# KiCad board KES.kicad_pcb
title: KES K5170.20; date: 2024-12-11; rev: 1; company: Original von VEB Robotron-Elektronik Dresden, Stand 11/1987; note: Engescannt von Holm Tiffe, https://www.tiffe.de/robotron/MMS16/Schaltplaene/KES/; note: Übertragen nach KiCad von Stefan Berndt, 12/2024
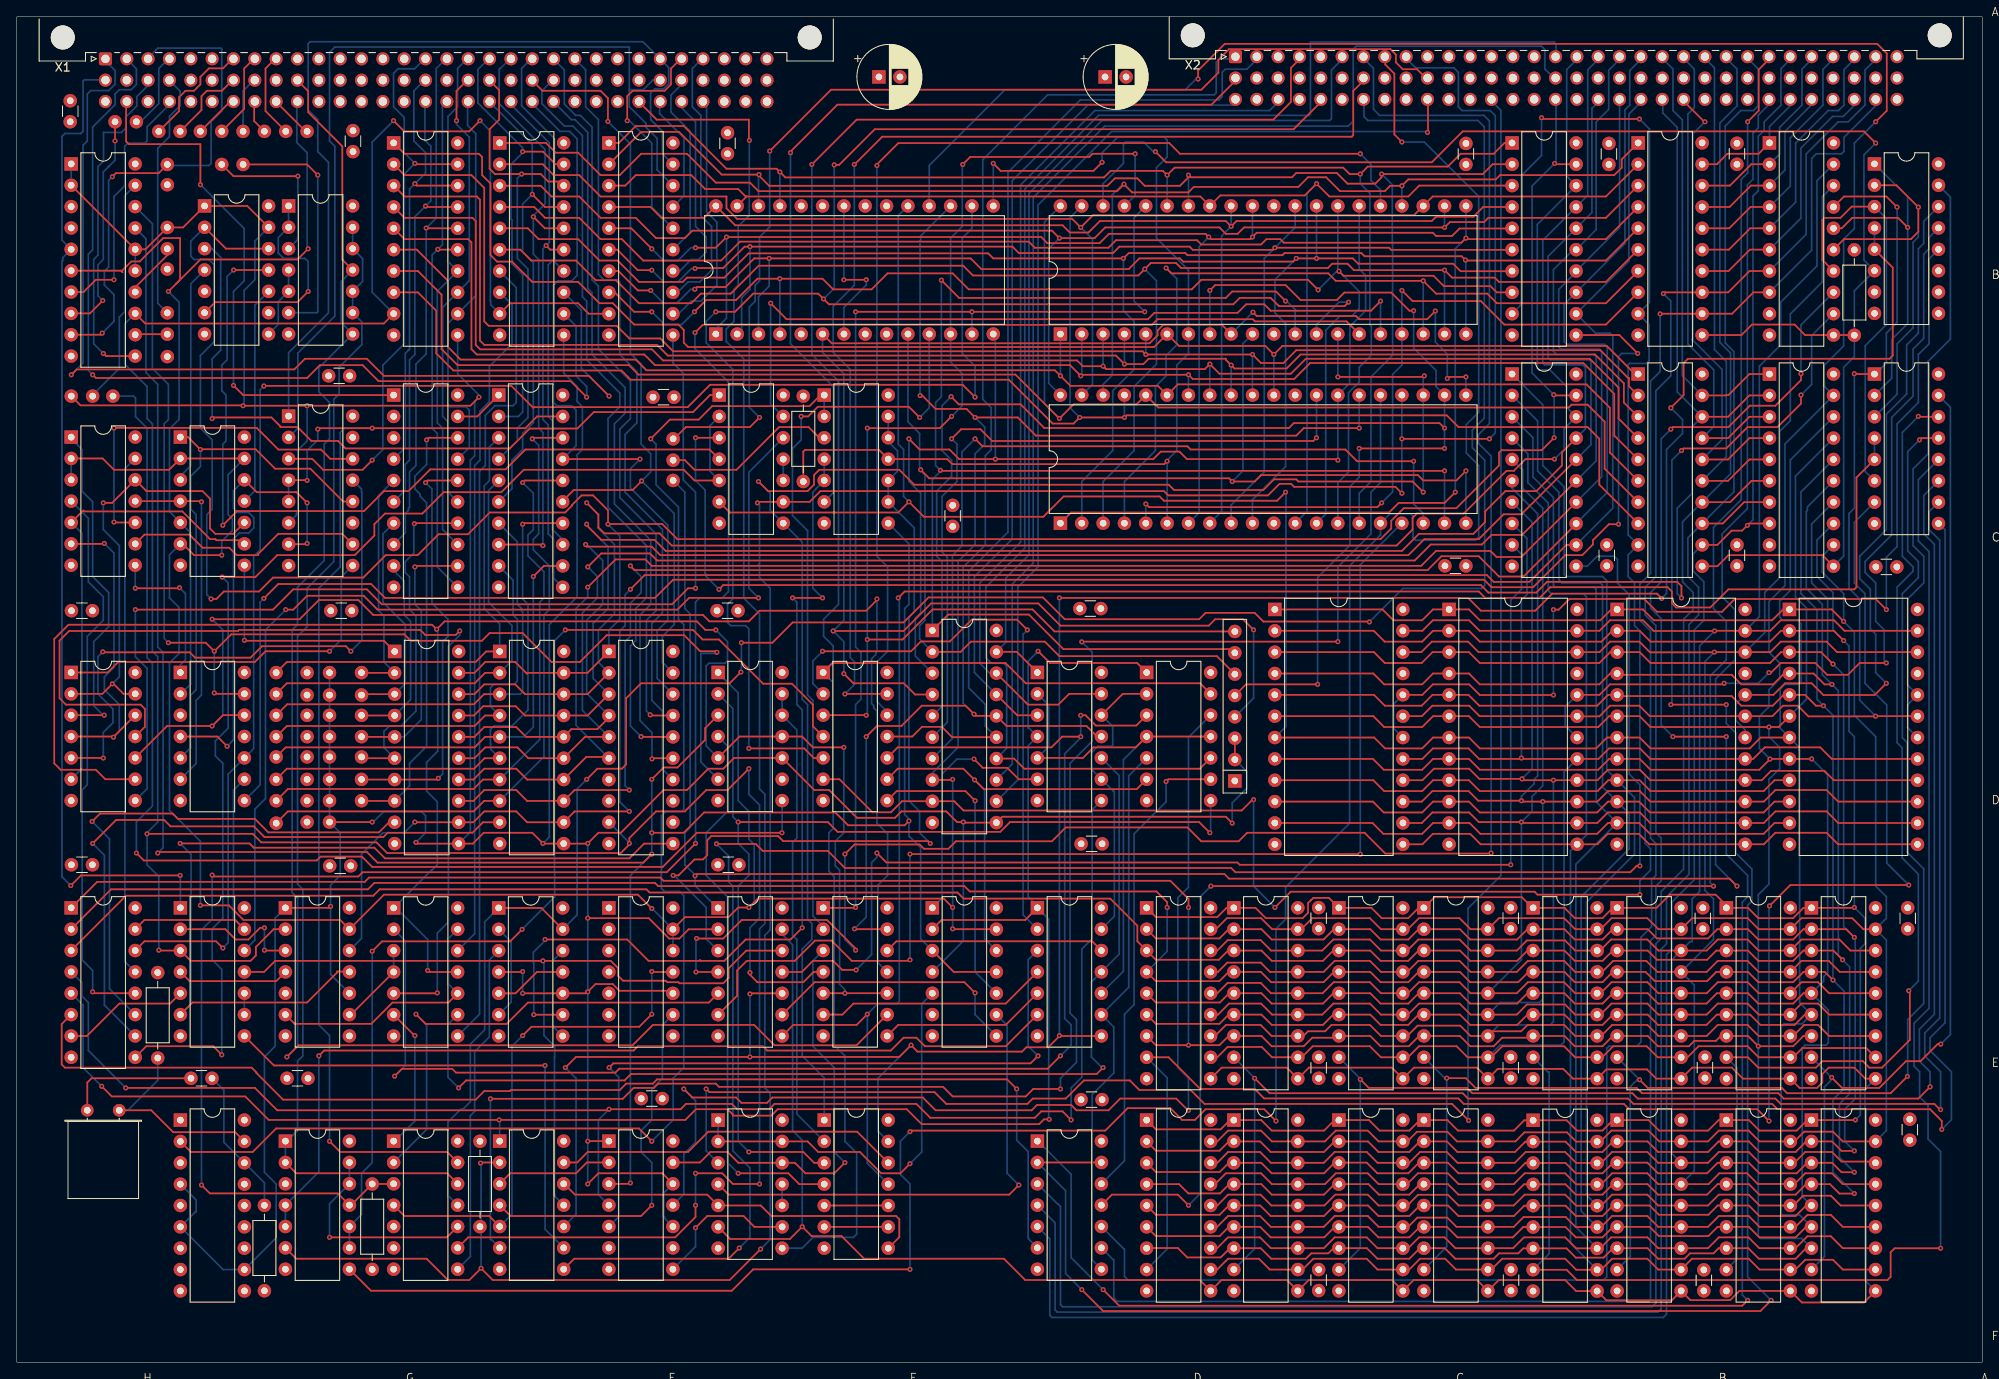
[diagram p0: board, top side]
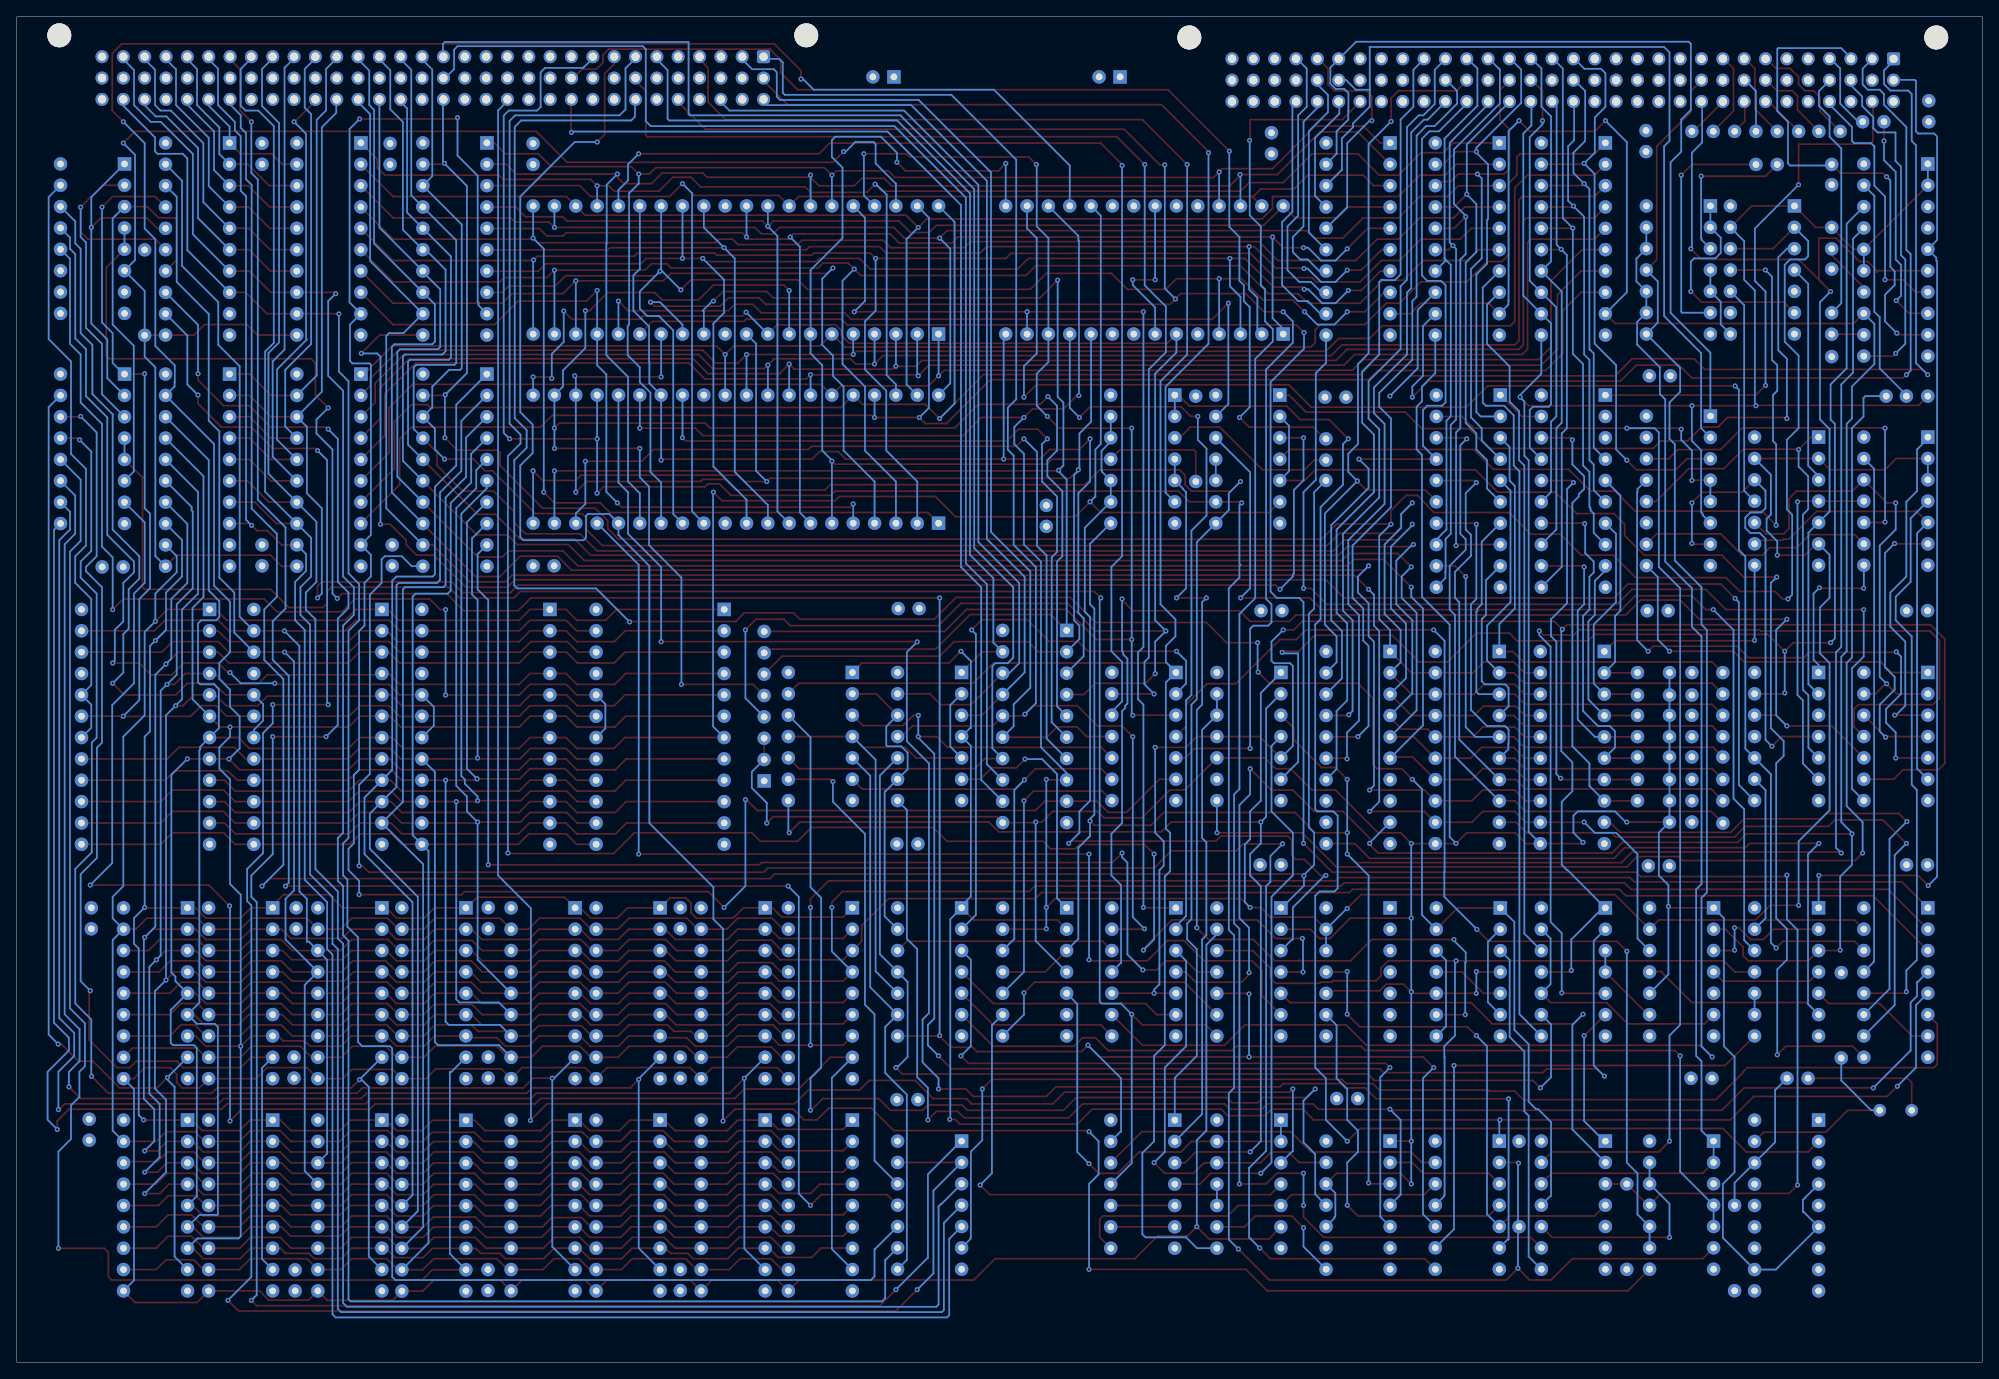
[diagram p1: board, bottom side, seen from below]

Outline 233.92 x 160.05 mm; copper layers: Top, In1.Cu, In2.Cu, Bottom. Coordinates in mm from the lower left corner of the outline.
Outline path: rectangle 0,160.05 233.92,0
Stack: Top 0.035mm / dielectric 0.1mm FR4 er 4.5 / In1.Cu 0.035mm / dielectric 1.24mm FR4 er 4.5 / In2.Cu 0.035mm / dielectric 0.1mm FR4 er 4.5 / Bottom 0.035mm

## Placement (name value [footprint] x y rotation side)
AEAO1  8205  [DIP-16_W7.62mm]  221.1 142.55 0 top
AEBK1  8205  [DIP-16_W7.62mm]  221.1 117.55 0 top
AGCI1  2716  [DIP-24_W15.24mm]  210.98 89.55 0 top
AKDM1  2114  [DIP-18_W7.62mm]  213.6 54.05 0 top
AKEI1  2114  [DIP-18_W7.62mm]  213.6 28.8 0 top
AQAM1  8287  [DIP-20_W7.62mm]  208.6 145.05 0 top
AQBK1  8287  [DIP-20_W7.62mm]  208.6 117.55 0 top
ASDM1  2114  [DIP-18_W7.62mm]  203.47 54.05 0 top
ASEI1  2114  [DIP-18_W7.62mm]  203.47 28.8 0 top
AWCI1  2716  [DIP-24_W15.24mm]  190.47 89.55 0 top
BCAM1  8287  [DIP-20_W7.62mm]  192.97 145.05 0 top
BCBK1  8287  [DIP-20_W7.62mm]  192.97 117.55 0 top
BEDM1  2114  [DIP-18_W7.62mm]  190.47 54.05 0 top
BEEI1  2114  [DIP-18_W7.62mm]  190.47 28.8 0 top
BMDM1  2114  [DIP-18_W7.62mm]  180.47 54.05 0 top
BMEI1  2114  [DIP-18_W7.62mm]  180.47 28.78 0 top
BOAM1  8287  [DIP-20_W7.62mm]  177.97 145.05 0 top
BOBK1  8287  [DIP-20_W7.62mm]  177.97 117.55 0 top
BOCI1  2716  [DIP-24_W15.24mm]  170.47 89.55 0 top
BWDM1  2114  [DIP-18_W7.62mm]  167.47 54.05 0 top
BWEI1  2114  [DIP-18_W7.62mm]  167.47 28.8 0 top
C1  100nF  [C_Disc_D3.0mm_W1.6mm_P2.50mm]  204.73 142.51 90 top
C2  100nF  [C_Disc_D3.0mm_W1.6mm_P2.50mm]  6.36 147.57 90 top
C3  100nF  [C_Disc_D3.0mm_W1.6mm_P2.50mm]  40.01 144.01 90 top
C4  100nF  [C_Disc_D3.0mm_W1.6mm_P2.50mm]  84.59 143.76 90 top
C5  100nF  [C_Disc_D3.0mm_W1.6mm_P2.50mm]  154.95 33.77 90 top
C6  100nF  [C_Disc_D3.0mm_W1.6mm_P2.50mm]  177.81 33.79 90 top
C7  100nF  [C_Disc_D3.0mm_W1.6mm_P2.50mm]  225.31 26.41 90 top
C8  100nF  [C_Disc_D3.0mm_W1.6mm_P2.50mm]  189.49 142.49 90 top
C9  100nF  [C_Disc_D3.0mm_W1.6mm_P2.50mm]  169.97 94.73 0 top
C10  100nF  [C_Disc_D3.0mm_W1.6mm_P2.50mm]  221.26 94.61 0 top
C11  100nF  [C_Disc_D3.0mm_W1.6mm_P2.50mm]  6.5 89.4 0 top
C12  100nF  [C_Disc_D3.0mm_W1.6mm_P2.50mm]  126.52 89.65 0 top
C13  100nF  [C_Disc_D3.0mm_W1.6mm_P2.50mm]  111.39 99.43 90 top
C14  100nF  [C_Disc_D3.0mm_W1.6mm_P2.50mm]  75.72 114.8 0 top
C15  100nF  [C_Disc_D3.0mm_W1.6mm_P2.50mm]  37.11 117.34 0 top
C16  100nF  [C_Disc_D3.0mm_W1.6mm_P2.50mm]  154.95 8.52 90 top
C17  100nF  [C_Disc_D3.0mm_W1.6mm_P2.50mm]  154.95 51.57 90 top
C18  100nF  [C_Disc_D3.0mm_W1.6mm_P2.50mm]  189.24 94.73 90 top
C19  100nF  [C_Disc_D3.0mm_W1.6mm_P2.50mm]  172.47 142.49 90 top
C20  100nF  [C_Disc_D3.0mm_W1.6mm_P2.50mm]  37.24 59.05 0 top
C21  100nF  [C_Disc_D3.0mm_W1.6mm_P2.50mm]  6.5 59.17 0 top
C22  100nF  [C_Disc_D3.0mm_W1.6mm_P2.50mm]  37.37 89.4 0 top
C23  100nF  [C_Disc_D3.0mm_W1.6mm_P2.50mm]  83.34 89.4 0 top
C24  100nF  [C_Disc_D3.0mm_W1.6mm_P2.50mm]  129.17 31.23 180 top
C25  100nF  [C_Disc_D3.0mm_W1.6mm_P2.50mm]  200.79 8.48 90 top
C26  100nF  [C_Disc_D3.0mm_W1.6mm_P2.50mm]  177.81 51.57 90 top
C27  100nF  [C_Disc_D3.0mm_W1.6mm_P2.50mm]  200.67 51.55 90 top
C28  100nF  [C_Disc_D3.0mm_W1.6mm_P2.50mm]  225.05 51.55 90 top
C29  100nF  [C_Disc_D3.0mm_W1.6mm_P2.50mm]  126.67 61.66 0 top
C30  100nF  [C_Disc_D3.0mm_W1.6mm_P2.50mm]  83.44 59.17 0 top
C31  100nF  [C_Disc_D3.0mm_W1.6mm_P2.50mm]  32.16 33.77 0 top
C32  100nF  [C_Disc_D3.0mm_W1.6mm_P2.50mm]  74.32 31.36 0 top
C33  100nF  [C_Disc_D3.0mm_W1.6mm_P2.50mm]  204.73 94.73 90 top
C34  100nF  [C_Disc_D3.0mm_W1.6mm_P2.50mm]  200.92 33.79 90 top
C35  100nF  [C_Disc_D3.0mm_W1.6mm_P2.50mm]  177.84 8.51 90 top
C201  C_Polarized  [CP_Radial_D7.5mm_P2.50mm]  102.61 152.9 0 top
C202  C_Polarized  [CP_Radial_D7.5mm_P2.50mm]  129.53 152.9 0 top
C300  C  [C_Disc_D3.0mm_W1.6mm_P2.50mm]  20.73 33.77 0 top
CAAS1  80A-DMA  [DIP-40_W15.24mm]  124.21 122.31 90 top
CABM1  80A-CPU  [DIP-40_W15.24mm]  124.21 99.81 90 top
CGCI1  2716  [DIP-24_W15.24mm]  149.73 89.55 0 top
CGDM1  2114  [DIP-18_W7.62mm]  157.35 54.05 0 top
CGEI1  2114  [DIP-18_W7.62mm]  157.35 28.8 0 top
CQDM1  2114  [DIP-18_W7.62mm]  144.85 54.05 0 top
CQEI1  2114  [DIP-18_W7.62mm]  144.85 28.8 0 top
DACO1  7411  [DIP-14_W7.62mm]  134.47 82.05 0 top
DADM1  2114  [DIP-18_W7.62mm]  134.47 54.05 0 top
DAEI1  2114  [DIP-18_W7.62mm]  134.47 28.8 0 top
DKCO1  7404  [DIP-14_W7.62mm]  121.47 82.05 0 top
DKDM1  7410  [DIP-14_W7.62mm]  121.47 54.05 0 top
DKEK1  7411  [DIP-14_W7.62mm]  121.47 26.3 0 top
DUAS1  80A-CTC  [DIP-28_W15.24mm]  83.2 122.31 90 top
DUCK1  8286  [DIP-20_W7.62mm]  108.97 87.05 0 top
DUDM1  7474  [DIP-14_W7.62mm]  108.97 54.05 0 top
EGBM1  7437  [DIP-14_W7.62mm]  96.1 115.05 0 top
EGCO1  7404  [DIP-14_W7.62mm]  95.97 82.05 0 top
EGDM1  7400  [DIP-14_W7.62mm]  95.97 54.05 0 top
EGEI1  7404  [DIP-14_W7.62mm]  96.1 28.8 0 top
EQBM1  7402  [DIP-14_W7.62mm]  83.6 115.05 0 top
EQCO1  7474  [DIP-14_W7.62mm]  83.47 82.05 0 top
EQDM1  7408  [DIP-14_W7.62mm]  83.47 54.04 0 top
EQEI1  7437  [DIP-14_W7.62mm]  83.47 28.8 0 top
FCAM1  8287  [DIP-20_W7.62mm]  70.47 145.05 0 top
FCCM1  8287  [DIP-20_W7.62mm]  70.47 84.55 0 top
FCDM1  7474  [DIP-14_W7.62mm]  70.47 54.04 0 top
FCEK1  7474  [DIP-14_W7.62mm]  70.47 26.3 0 top
FMAM1  8287  [DIP-20_W7.62mm]  57.47 145.05 0 top
FMBM1  8121  [DIP-20_W7.62mm]  57.35 115.05 0 top
FMCM1  8287  [DIP-20_W7.62mm]  57.47 84.55 0 top
FMDM1  7474  [DIP-14_W7.62mm]  57.35 54.04 0 top
FMEK1  7400  [DIP-14_W7.62mm]  57.47 26.3 0 top
FWAM1  8287  [DIP-20_W7.62mm]  44.85 145.05 0 top
FWBM1  8121  [DIP-20_W7.62mm]  44.85 115.05 0 top
FWCM1  8287  [DIP-20_W7.62mm]  44.97 84.55 0 top
FWDM1  7411  [DIP-14_W7.62mm]  44.85 54.04 0 top
FWEK1  7404  [DIP-14_W7.62mm]  44.85 26.3 0 top
GIAS1  7438  [DIP-14_W7.62mm]  32.35 137.55 0 top
GIBO1  8205  [DIP-16_W7.62mm]  32.35 112.55 0 top
GIDM1  7474  [DIP-14_W7.62mm]  31.97 54.05 0 top
GIEK1  7438  [DIP-14_W7.62mm]  31.97 26.3 0 top
GQAS1  7474  [DIP-14_W7.62mm]  22.35 137.55 0 top
GSBQ1  7408  [DIP-14_W7.62mm]  19.47 110.05 0 top
GSCO1  7420  [DIP-14_W7.62mm]  19.47 82.05 0 top
GSDM1  7404  [DIP-14_W7.62mm]  19.47 54.05 0 top
GSEI1  8284  [DIP-18_W7.62mm]  19.47 28.8 0 top
HEAO1  8289  [DIP-20_W7.62mm]  6.47 142.55 0 top
HEBQ1  7410  [DIP-14_W7.62mm]  6.47 110.05 0 top
HECO1  7400  [DIP-14_W7.62mm]  6.47 82.05 0 top
HEDM1  8205  [DIP-16_W7.62mm]  6.47 54.05 0 top
J1  Conn_01x01  [Pin_D1.0mm_L10.0mm]  41.03 82.03 0 top
J3  Conn_01x01  [Pin_D1.0mm_L10.0mm]  41.03 79.37 0 top
J5  Conn_01x01  [Pin_D1.0mm_L10.0mm]  41.03 76.95 0 top
J6  Conn_01x01  [Pin_D1.0mm_L10.0mm]  41.03 74.41 0 top
J9  Conn_01x01  [Pin_D1.0mm_L10.0mm]  41.03 72 0 top
J10  Conn_01x01  [Pin_D1.0mm_L10.0mm]  41.03 69.33 0 top
J11  Conn_01x01  [Pin_D1.0mm_L10.0mm]  41.03 66.79 0 top
J12  Conn_01x01  [Pin_D1.0mm_L10.0mm]  37.22 64.25 0 top
J16  Conn_01x01  [Pin_D1.0mm_L10.0mm]  37.22 66.79 0 top
J17  Conn_01x01  [Pin_D1.0mm_L10.0mm]  30.87 82.03 0 top
J18  Conn_01x01  [Pin_D1.0mm_L10.0mm]  30.87 79.49 0 top
J19  Conn_01x01  [Pin_D1.0mm_L10.0mm]  30.87 76.95 0 top
J20  Conn_01x01  [Pin_D1.0mm_L10.0mm]  30.87 74.41 0 top
J21  Conn_01x01  [Pin_D1.0mm_L10.0mm]  30.87 72 0 top
J22  Conn_01x01  [Pin_D1.0mm_L10.0mm]  30.87 69.33 0 top
J23  Conn_01x01  [Pin_D1.0mm_L10.0mm]  30.87 66.79 0 top
J24  Conn_01x01  [Pin_D1.0mm_L10.0mm]  30.87 64.13 0 top
J33  Conn_01x01  [Pin_D1.0mm_L10.0mm]  37.22 69.33 0 top
J34  Conn_01x01  [Pin_D1.0mm_L10.0mm]  37.22 72 0 top
J35  Conn_01x01  [Pin_D1.0mm_L10.0mm]  37.22 74.41 0 top
J36  Conn_01x01  [Pin_D1.0mm_L10.0mm]  37.22 76.95 0 top
J37  Conn_01x01  [Pin_D1.0mm_L10.0mm]  37.22 79.37 0 top
J38  Conn_01x01  [Pin_D1.0mm_L10.0mm]  37.22 82.03 0 top
J47  Conn_01x01  [Pin_D1.0mm_L10.0mm]  34.55 82.03 0 top
J48  Conn_01x01  [Pin_D1.0mm_L10.0mm]  34.55 79.37 0 top
J49  Conn_01x01  [Pin_D1.0mm_L10.0mm]  34.55 76.95 0 top
J50  Conn_01x01  [Pin_D1.0mm_L10.0mm]  34.55 74.41 0 top
J51  Conn_01x01  [Pin_D1.0mm_L10.0mm]  34.55 72 0 top
J52  Conn_01x01  [Pin_D1.0mm_L10.0mm]  34.55 69.33 0 top
J53  Conn_01x01  [Pin_D1.0mm_L10.0mm]  34.55 66.79 0 top
J54  Conn_01x01  [Pin_D1.0mm_L10.0mm]  34.55 64.25 0 top
R1  R  [R_Axial_DIN0207_L6.3mm_D2.5mm_P10.16mm_Horizontal]  218.7 122.17 90 top
R2  R_Network07_Split  [R_Array_SIP8]  144.97 69.15 90 top
R3  R  [R_Axial_DIN0207_L6.3mm_D2.5mm_P10.16mm_Horizontal]  16.77 46.35 270 top
R4  R  [R_Axial_DIN0207_L6.3mm_D2.5mm_P10.16mm_Horizontal]  29.47 8.5 90 top
R5  R  [R_Axial_DIN0207_L6.3mm_D2.5mm_P10.16mm_Horizontal]  55.13 16.12 90 top
R6  R  [R_Axial_DIN0207_L6.3mm_D2.5mm_P10.16mm_Horizontal]  93.61 104.77 90 top
R7  R  [R_Axial_DIN0207_L6.3mm_D2.5mm_P10.16mm_Horizontal]  42.3 11.04 90 top
X1  DIN41612_03x32_ABC  [DIN41612_C_3x32_Male_Horizontal_THT]  10.55 155.05 0 top
X2  DIN41612_03x32_ABC  [DIN41612_C_3x32_Male_Horizontal_THT]  145.04 155.31 0 top
X9.1  Conn_01x01  [Pin_D1.0mm_L10.0mm]  34.55 146.42 0 top
X9.2  Conn_01x01  [Pin_D1.0mm_L10.0mm]  32.01 146.42 0 top
X9.3  Conn_01x01  [Pin_D1.0mm_L10.0mm]  29.47 146.42 0 top
X9.4  Conn_01x01  [Pin_D1.0mm_L10.0mm]  26.93 146.42 0 top
X9.5  Conn_01x01  [Pin_D1.0mm_L10.0mm]  24.39 146.42 0 top
X9.6  Conn_01x01  [Pin_D1.0mm_L10.0mm]  21.85 146.42 0 top
X9.7  Conn_01x01  [Pin_D1.0mm_L10.0mm]  19.44 146.42 0 top
X9.8  Conn_01x01  [Pin_D1.0mm_L10.0mm]  16.9 146.42 0 top
X9.9  Conn_01x01  [Pin_D1.0mm_L10.0mm]  26.93 142.49 0 top
X9.10  Conn_01x01  [Pin_D1.0mm_L10.0mm]  24.39 142.49 0 top
X701  Conn_01x01  [Pin_D1.0mm_L10.0mm]  78.11 109.85 0 top
X702  Conn_01x01  [Pin_D1.0mm_L10.0mm]  78.11 107.31 0 top
X703  Conn_01x01  [Pin_D1.0mm_L10.0mm]  78.11 104.89 0 top
X1001  Conn_01x01  [Pin_D1.0mm_L10.0mm]  17.91 142.49 0 top
X1002  Conn_01x01  [Pin_D1.0mm_L10.0mm]  17.91 140.07 0 top
X1003  Conn_01x01  [Pin_D1.0mm_L10.0mm]  17.91 134.99 0 top
X1004  Conn_01x01  [Pin_D1.0mm_L10.0mm]  17.91 132.45 0 top
X1005  Conn_01x01  [Pin_D1.0mm_L10.0mm]  17.91 130.04 0 top
X1006  Conn_01x01  [Pin_D1.0mm_L10.0mm]  17.91 124.83 0 top
X1007  Conn_01x01  [Pin_D1.0mm_L10.0mm]  17.91 122.29 0 top
X1008  Conn_01x01  [Pin_D1.0mm_L10.0mm]  17.91 119.63 0 top
X1009  Conn_01x01  [Pin_D1.0mm_L10.0mm]  11.44 114.93 0 top
X1010  Conn_01x01  [Pin_D1.0mm_L10.0mm]  9.02 114.93 0 top
X1011  Conn_01x01  [Pin_D1.0mm_L10.0mm]  6.48 114.93 0 top
X1012  Conn_01x01  [Pin_D1.0mm_L10.0mm]  14.23 147.57 0 top
X1013  Conn_01x01  [Pin_D1.0mm_L10.0mm]  11.69 147.57 0 top
Y1  Crystal  [Crystal_HC52-U_Horizontal]  8.39 29.96 0 top

## Library data of the parts
C1-C35 C300 = -: Description: Unpolarized capacitor; ki_fp_filters: C_*
C201 C202 = -: Description: Polarized capacitor; ki_fp_filters: CP_*
J1 J3 J5 J6 J9-J12 J16-J24 J33-J38 J47-J54 X9.1-X9.10 X701-X703 X1001-X1013 = -: Description: Generic connector, single row, 01x01, script generated (kicad-library-utils/schlib/autogen/connector/); ki_fp_filters: Connector*:*_1x??_*
R1 R3-R7 = -: Description: Resistor; ki_fp_filters: R_*
R2 = -: Datasheet: http://www.vishay.com/docs/31509/csc.pdf; Description: 7 resistor network, star topology, bussed resistors, split; ki_fp_filters: R?Array?SIP*
X1 X2 = -: Description: DIN41612 connector, double row (AB), 02x32, script generated (kicad-library-utils/schlib/autogen/connector/); ki_fp_filters: DIN41612*2x*
Y1 = -: Description: Two pin crystal; ki_fp_filters: Crystal*

## Footprints (pads in the part's own frame, mm; a bottom-side part is the same pattern mirrored in y, then rotated)
C_Disc_D3.0mm_W1.6mm_P2.50mm
  round 1.6 hole 0.8: 1(0,0) 2(2.5,0)
CP_Radial_D7.5mm_P2.50mm
  rect 1.6x1.6 hole 0.8: 1(0,0)
  round 1.6 hole 0.8: 2(2.5,0)
Crystal_HC52-U_Horizontal
  round 1.5 hole 0.8: 1(0,0) 2(3.8,0)
DIN41612_C_3x32_Male_Horizontal_THT
  round 2.85 hole 2.85 unplated: (-5.08,2.54) (83.82,2.54)
  rrect 1.55x1.55 hole 1: a1(0,0)
  round 1.55 hole 1: a2(2.54,0) a3(5.08,0) a4(7.62,0) a5(10.16,0) a6(12.7,0) a7(15.24,0) a8(17.78,0) a9(20.32,0) a10(22.86,0) a11(25.4,0) a12(27.94,0) a13(30.48,0) a14(33.02,0) a15(35.56,0) a16(38.1,0) a17(40.64,0) a18(43.18,0) a19(45.72,0) a20(48.26,0) a21(50.8,0) a22(53.34,0) a23(55.88,0) a24(58.42,0) a25(60.96,0) a26(63.5,0) a27(66.04,0) a28(68.58,0) a29(71.12,0) a30(73.66,0) a31(76.2,0) a32(78.74,0) b1(0,-2.54) b2(2.54,-2.54) b3(5.08,-2.54) b4(7.62,-2.54) b5(10.16,-2.54) b6(12.7,-2.54) b7(15.24,-2.54) b8(17.78,-2.54) b9(20.32,-2.54) b10(22.86,-2.54) b11(25.4,-2.54) b12(27.94,-2.54) b13(30.48,-2.54) b14(33.02,-2.54) b15(35.56,-2.54) b16(38.1,-2.54) b17(40.64,-2.54) b18(43.18,-2.54) b19(45.72,-2.54) b20(48.26,-2.54) b21(50.8,-2.54) b22(53.34,-2.54) b23(55.88,-2.54) b24(58.42,-2.54) b25(60.96,-2.54) b26(63.5,-2.54) b27(66.04,-2.54) b28(68.58,-2.54) b29(71.12,-2.54) b30(73.66,-2.54) b31(76.2,-2.54) b32(78.74,-2.54) c1(0,-5.08) c2(2.54,-5.08) c3(5.08,-5.08) c4(7.62,-5.08) c5(10.16,-5.08) c6(12.7,-5.08) c7(15.24,-5.08) c8(17.78,-5.08) c9(20.32,-5.08) c10(22.86,-5.08) c11(25.4,-5.08) c12(27.94,-5.08) c13(30.48,-5.08) c14(33.02,-5.08) c15(35.56,-5.08) c16(38.1,-5.08) c17(40.64,-5.08) c18(43.18,-5.08) c19(45.72,-5.08) c20(48.26,-5.08) c21(50.8,-5.08) c22(53.34,-5.08) c23(55.88,-5.08) c24(58.42,-5.08) c25(60.96,-5.08) c26(63.5,-5.08) c27(66.04,-5.08) c28(68.58,-5.08) c29(71.12,-5.08) c30(73.66,-5.08) c31(76.2,-5.08) c32(78.74,-5.08)
DIP-14_W7.62mm
  rect 1.6x1.6 hole 0.8: 1(0,0)
  oval 1.6x1.6 hole 0.8: 2(0,-2.54) 3(0,-5.08) 4(0,-7.62) 5(0,-10.16) 6(0,-12.7) 7(0,-15.24) 8(7.62,-15.24) 9(7.62,-12.7) 10(7.62,-10.16) 11(7.62,-7.62) 12(7.62,-5.08) 13(7.62,-2.54) 14(7.62,0)
DIP-16_W7.62mm
  rect 1.6x1.6 hole 0.8: 1(0,0)
  oval 1.6x1.6 hole 0.8: 2(0,-2.54) 3(0,-5.08) 4(0,-7.62) 5(0,-10.16) 6(0,-12.7) 7(0,-15.24) 8(0,-17.78) 9(7.62,-17.78) 10(7.62,-15.24) 11(7.62,-12.7) 12(7.62,-10.16) 13(7.62,-7.62) 14(7.62,-5.08) 15(7.62,-2.54) 16(7.62,0)
DIP-18_W7.62mm
  rect 1.6x1.6 hole 0.8: 1(0,0)
  oval 1.6x1.6 hole 0.8: 2(0,-2.54) 3(0,-5.08) 4(0,-7.62) 5(0,-10.16) 6(0,-12.7) 7(0,-15.24) 8(0,-17.78) 9(0,-20.32) 10(7.62,-20.32) 11(7.62,-17.78) 12(7.62,-15.24) 13(7.62,-12.7) 14(7.62,-10.16) 15(7.62,-7.62) 16(7.62,-5.08) 17(7.62,-2.54) 18(7.62,0)
DIP-20_W7.62mm
  rect 1.6x1.6 hole 0.8: 1(0,0)
  oval 1.6x1.6 hole 0.8: 2(0,-2.54) 3(0,-5.08) 4(0,-7.62) 5(0,-10.16) 6(0,-12.7) 7(0,-15.24) 8(0,-17.78) 9(0,-20.32) 10(0,-22.86) 11(7.62,-22.86) 12(7.62,-20.32) 13(7.62,-17.78) 14(7.62,-15.24) 15(7.62,-12.7) 16(7.62,-10.16) 17(7.62,-7.62) 18(7.62,-5.08) 19(7.62,-2.54) 20(7.62,0)
DIP-24_W15.24mm
  rect 1.6x1.6 hole 0.8: 1(0,0)
  oval 1.6x1.6 hole 0.8: 2(0,-2.54) 3(0,-5.08) 4(0,-7.62) 5(0,-10.16) 6(0,-12.7) 7(0,-15.24) 8(0,-17.78) 9(0,-20.32) 10(0,-22.86) 11(0,-25.4) 12(0,-27.94) 13(15.24,-27.94) 14(15.24,-25.4) 15(15.24,-22.86) 16(15.24,-20.32) 17(15.24,-17.78) 18(15.24,-15.24) 19(15.24,-12.7) 20(15.24,-10.16) 21(15.24,-7.62) 22(15.24,-5.08) 23(15.24,-2.54) 24(15.24,0)
DIP-28_W15.24mm
  rect 1.6x1.6 hole 0.8: 1(0,0)
  oval 1.6x1.6 hole 0.8: 2(0,-2.54) 3(0,-5.08) 4(0,-7.62) 5(0,-10.16) 6(0,-12.7) 7(0,-15.24) 8(0,-17.78) 9(0,-20.32) 10(0,-22.86) 11(0,-25.4) 12(0,-27.94) 13(0,-30.48) 14(0,-33.02) 15(15.24,-33.02) 16(15.24,-30.48) 17(15.24,-27.94) 18(15.24,-25.4) 19(15.24,-22.86) 20(15.24,-20.32) 21(15.24,-17.78) 22(15.24,-15.24) 23(15.24,-12.7) 24(15.24,-10.16) 25(15.24,-7.62) 26(15.24,-5.08) 27(15.24,-2.54) 28(15.24,0)
DIP-40_W15.24mm
  rect 1.6x1.6 hole 0.8: 1(0,0)
  oval 1.6x1.6 hole 0.8: 2(0,-2.54) 3(0,-5.08) 4(0,-7.62) 5(0,-10.16) 6(0,-12.7) 7(0,-15.24) 8(0,-17.78) 9(0,-20.32) 10(0,-22.86) 11(0,-25.4) 12(0,-27.94) 13(0,-30.48) 14(0,-33.02) 15(0,-35.56) 16(0,-38.1) 17(0,-40.64) 18(0,-43.18) 19(0,-45.72) 20(0,-48.26) 21(15.24,-48.26) 22(15.24,-45.72) 23(15.24,-43.18) 24(15.24,-40.64) 25(15.24,-38.1) 26(15.24,-35.56) 27(15.24,-33.02) 28(15.24,-30.48) 29(15.24,-27.94) 30(15.24,-25.4) 31(15.24,-22.86) 32(15.24,-20.32) 33(15.24,-17.78) 34(15.24,-15.24) 35(15.24,-12.7) 36(15.24,-10.16) 37(15.24,-7.62) 38(15.24,-5.08) 39(15.24,-2.54) 40(15.24,0)
Pin_D1.0mm_L10.0mm
  round 1.6 hole 0.8: 1(0,0)
R_Array_SIP8
  rect 1.6x1.6 hole 0.8: 1(0,0)
  oval 1.6x1.6 hole 0.8: 2(2.54,0) 3(5.08,0) 4(7.62,0) 5(10.16,0) 6(12.7,0) 7(15.24,0) 8(17.78,0)
R_Axial_DIN0207_L6.3mm_D2.5mm_P10.16mm_Horizontal
  round 1.6 hole 0.8: 1(0,0)
  oval 1.6x1.6 hole 0.8: 2(10.16,0)

## Nets
+5V: AEAO1.16 AEBK1.16 AGCI1.21 AGCI1.24 AKDM1.18 AKEI1.18 AQAM1.20 AQBK1.20 ASDM1.18 ASEI1.18 AWCI1.21 AWCI1.24 BCAM1.20 BCBK1.20 BEDM1.18 BEEI1.18 BMDM1.18 BMEI1.18 BOAM1.20 BOBK1.20 BOCI1.21 BOCI1.24 BWDM1.18 BWEI1.18 C1.1 C2.1 C3.1 C4.1 C5.1 C6.1 C7.1 C8.1 C9.1 C10.1 C11.1 C12.1 C13.1 C14.1 C15.1 C16.1 C17.1 C18.1 C19.1 C20.1 C21.1 C22.1 C23.1 C24.1 C25.1 C26.1 C27.1 C28.1 C29.1 C30.1 C31.1 C32.1 C33.1 C34.1 C35.1 C201.1 C202.1 CAAS1.11 CABM1.11 CGCI1.21 CGCI1.24 CGDM1.18 CGEI1.18 CQDM1.18 CQEI1.18 DACO1.14 DADM1.18 DAEI1.18 DKCO1.14 DKDM1.14 DKEK1.14 DUAS1.5 DUCK1.20 DUDM1.14 EGBM1.14 EGCO1.14 EGDM1.14 EGEI1.14 EQBM1.14 EQCO1.14 EQDM1.14 EQEI1.14 FCAM1.20 FCCM1.20 FCDM1.14 FCEK1.14 FMAM1.20 FMBM1.20 FMCM1.20 FMDM1.14 FMEK1.14 FWAM1.20 FWBM1.20 FWCM1.20 FWDM1.14 FWEK1.14 GIAS1.14 GIBO1.16 GIDM1.14 GIEK1.14 GQAS1.14 GSBQ1.14 GSCO1.14 GSDM1.14 GSEI1.18 HEAO1.20 HEBQ1.14 HECO1.14 HEDM1.16 R1.2 R2.1 R5.2 R6.2 R7.1 X1.a11 X1.a12 X1.a14 X1.a15 X1.c24 X1.c25 X2.a11 X2.a12 X2.a14 X2.a15 X2.c24 X2.c25
GND: AEAO1.8 AEBK1.8 AGCI1.12 AKDM1.9 AKEI1.9 AQAM1.9 AQAM1.10 AQBK1.9 AQBK1.10 ASDM1.9 ASEI1.9 AWCI1.12 BCAM1.10 BCBK1.10 BEDM1.9 BEEI1.9 BMDM1.9 BMEI1.9 BOAM1.10 BOBK1.10 BOCI1.12 BWDM1.9 BWEI1.9 C1.2 C2.2 C3.2 C4.2 C5.2 C6.2 C7.2 C8.2 C9.2 C10.2 C11.2 C12.2 C13.2 C14.2 C15.2 C16.2 C17.2 C18.2 C19.2 C20.2 C21.2 C22.2 C23.2 C24.2 C25.2 C26.2 C27.2 C28.2 C29.2 C30.2 C31.2 C32.2 C33.2 C34.2 C35.2 C201.2 C202.2 CAAS1.30 CABM1.29 CGCI1.12 CGDM1.9 CGEI1.9 CQDM1.9 CQEI1.9 DACO1.7 DADM1.9 DAEI1.9 DKCO1.7 DKDM1.7 DKEK1.7 DUAS1.24 DUCK1.10 DUDM1.7 EGBM1.7 EGCO1.7 EGDM1.7 EGEI1.7 EQBM1.7 EQCO1.7 EQDM1.7 EQEI1.7 FCAM1.10 FCCM1.10 FCDM1.7 FCEK1.7 FMAM1.10 FMBM1.10 FMCM1.10 FMDM1.7 FMEK1.7 FWAM1.10 FWBM1.2 FWBM1.3 FWBM1.10 FWCM1.10 FWDM1.7 FWEK1.7 GIAS1.7 GIBO1.8 GIDM1.7 GIEK1.7 GQAS1.7 GSBQ1.7 GSCO1.7 GSDM1.7 GSEI1.1 GSEI1.9 GSEI1.13 GSEI1.14 HEAO1.3 HEAO1.4 HEAO1.10 HEBQ1.7 HECO1.7 HEDM1.8 J47.1 J48.1 J49.1 J50.1 J51.1 J52.1 J53.1 J54.1 R3.1 R4.1 X1.b2 X1.b6 X1.b9 X1.b13 X1.b17 X1.b20 X1.b23 X1.b26 X1.b29 X1.b32 X2.b2 X2.b6 X2.b9 X2.b13 X2.b17 X2.b20 X2.b23 X2.b26 X2.b29 X2.b32 X1002.1 X1005.1 X1008.1
-A0: AQBK1.1 BCBK1.19 X2.a21
-A1: AQBK1.2 BCBK1.18 EQBM1.3 X2.c21
-A2: AQBK1.3 BCBK1.17 X2.a22
-A3: AQBK1.4 BCBK1.16 X2.c22
-A4: AQBK1.5 BCBK1.15 X2.a23
-A5: AQBK1.6 BCBK1.14 DKEK1.3 X2.a24
-A6: AQBK1.7 BCBK1.13 DKEK1.4 X2.a25
-A7: AQBK1.8 BCBK1.12 DKEK1.5 X2.a27
-A8: AQAM1.1 BCAM1.19 X2.c27
-A9: AQAM1.2 BCAM1.18 X2.a28
-AA: AQAM1.3 BCAM1.17 X2.c28
-AB: AQAM1.4 BCAM1.16 X2.a29
-AC: AQAM1.5 BCAM1.15 X2.a30
-ACLK: EGBM1.6 X2.b1
-AD: AQAM1.6 BCAM1.14 X2.c30
-ADR0: FWAM1.19 GIBO1.3 X1.a16
-ADR1: FWAM1.18 FWBM1.4 X1.b16
-ADR2: FWAM1.17 FWBM1.6 X1.c16
-ADR3: FWAM1.16 FWBM1.8 X1.a17
-ADR4: FWAM1.15 FWBM1.11 X1.c17
-ADR5: FWAM1.14 FWBM1.13 X1.a18
-ADR6: FWAM1.13 FWBM1.15 X1.b18
-ADR7: FWAM1.12 FWBM1.17 X1.c18
-ADR8: FMAM1.19 FMBM1.2 X1.a19
-ADR9: FMAM1.18 FMBM1.4 X1.b19
-ADR10: FCCM1.17 X1.a22
-ADR11: FCCM1.16 X1.b22
-ADR12: FCCM1.15 X1.c22
-ADR13: FCCM1.14 X1.a23
-ADRA: FMAM1.17 FMBM1.6 X1.c19
-ADRB: FMAM1.16 FMBM1.8 X1.a20
-ADRC: FMAM1.15 FMBM1.11 X1.c20
-ADRD: FMAM1.14 FMBM1.13 X1.a21
-ADRE: FCCM1.19 FMBM1.15 X1.b21
-ADRF: FCCM1.18 FMBM1.17 X1.c21
-AE: AQAM1.7 BCAM1.13 DKEK1.9 X2.a31
-AEN: EGDM1.4 FCAM1.9 FCCM1.9 FMAM1.9 FWAM1.9 GIDM1.2 GSDM1.3 HEAO1.13
-AF: AQAM1.8 BCAM1.12 DKEK1.10 X2.c31
-BAD: CAAS1.13 EGCO1.5 X2.c5
-BCLK: GSDM1.1 HEAO1.5 X1.b1
-BPRO: X1.a4 X1012.1
-BREQ: HEAO1.7 X1.c4
-BREQD: CAAS1.15 FWEK1.3 GIEK1.11 R7.2
-BREQI: CABM1.25 FMEK1.6
-BRRN: HEAO1.9 X1.a3 X1001.1
-BUSAK: FWEK1.6 X2.c6
-BUSAKI: CAAS1.14 CABM1.23 EGEI1.1 EQBM1.8
-BUSRQ: FMDM1.1 FMDM1.13 FWEK1.11 X2.c7
-BUSY: HEAO1.11 X1.b3
-CBRQ: X1.b4 X1006.1
-CCLK: FWEK1.9 X1.c26
-CSMEM: BOBK1.9 EQDM1.11
-CTCCS: DUAS1.16 GSCO1.10 HEDM1.14
-D0: BOAM1.19 BOBK1.19 FCCM1.1 FMCM1.19 FWCM1.19 GQAS1.2 GQAS1.12 X2.c16
-D1: BOAM1.18 BOBK1.18 FCCM1.2 FMCM1.18 FWCM1.18 X2.a17
-D2: BOAM1.17 BOBK1.17 FCCM1.3 FMCM1.17 FWCM1.17 X2.a18
-D3: BOAM1.16 BOBK1.16 FCCM1.4 FMCM1.16 FWCM1.16 X2.c18
-D4: BOAM1.15 BOBK1.15 FCCM1.5 FMCM1.15 FWCM1.15 X2.a19
-D5: BOAM1.14 BOBK1.14 FCCM1.6 FMCM1.14 FWCM1.14 X2.c19
-D6: BOAM1.13 BOBK1.13 FMCM1.13 FWCM1.13 X2.a20
-D7: BOAM1.12 BOBK1.12 FMCM1.12 FWCM1.12 GIDM1.12 X2.c20
-DAT0: FCAM1.19 GIBO1.1 X1.a27
-DAT1: FCAM1.18 GIBO1.2 X1.b27